# Altium PCB ZoM-Model-A.PcbDoc (part 1 of 3)
Units mm, origin at the board's own origin, x right, y up, seen from the top; angles counter-clockwise.
Board outline 75 x 40 mm, 6 copper layers (L 01, L 02 Gnd, L 03 1.8V 3.3V, L 04 1.0V SIG, L 05 Gnd, L 06), stack 1.207 mm thick; 145 components, 295 nets, 917 pads, 329 vias.
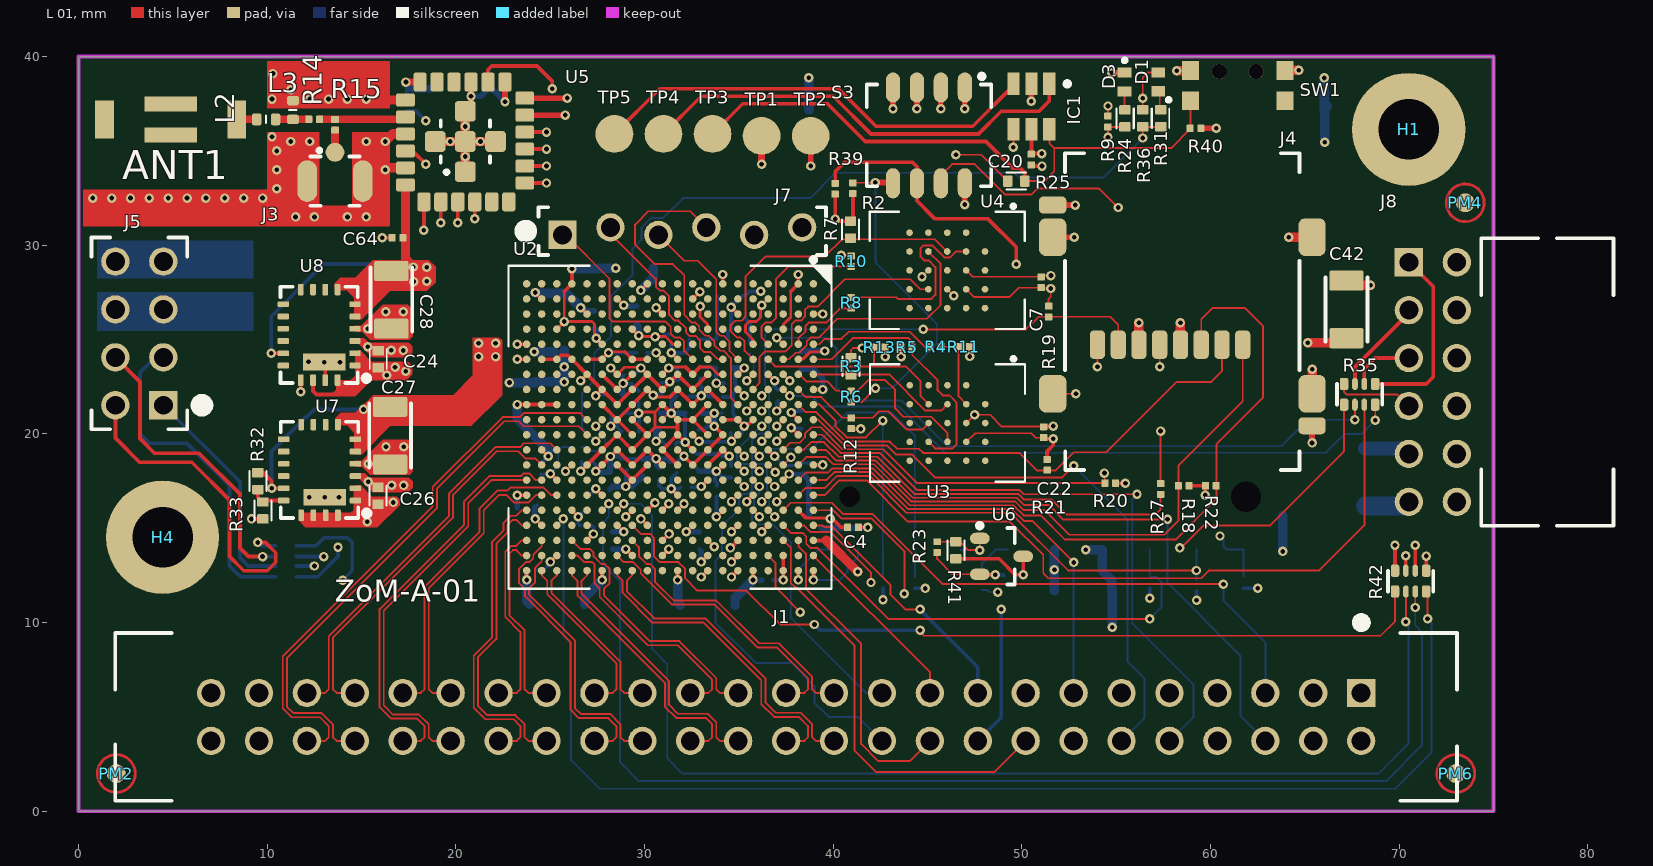
[diagram p0: L 01 view]
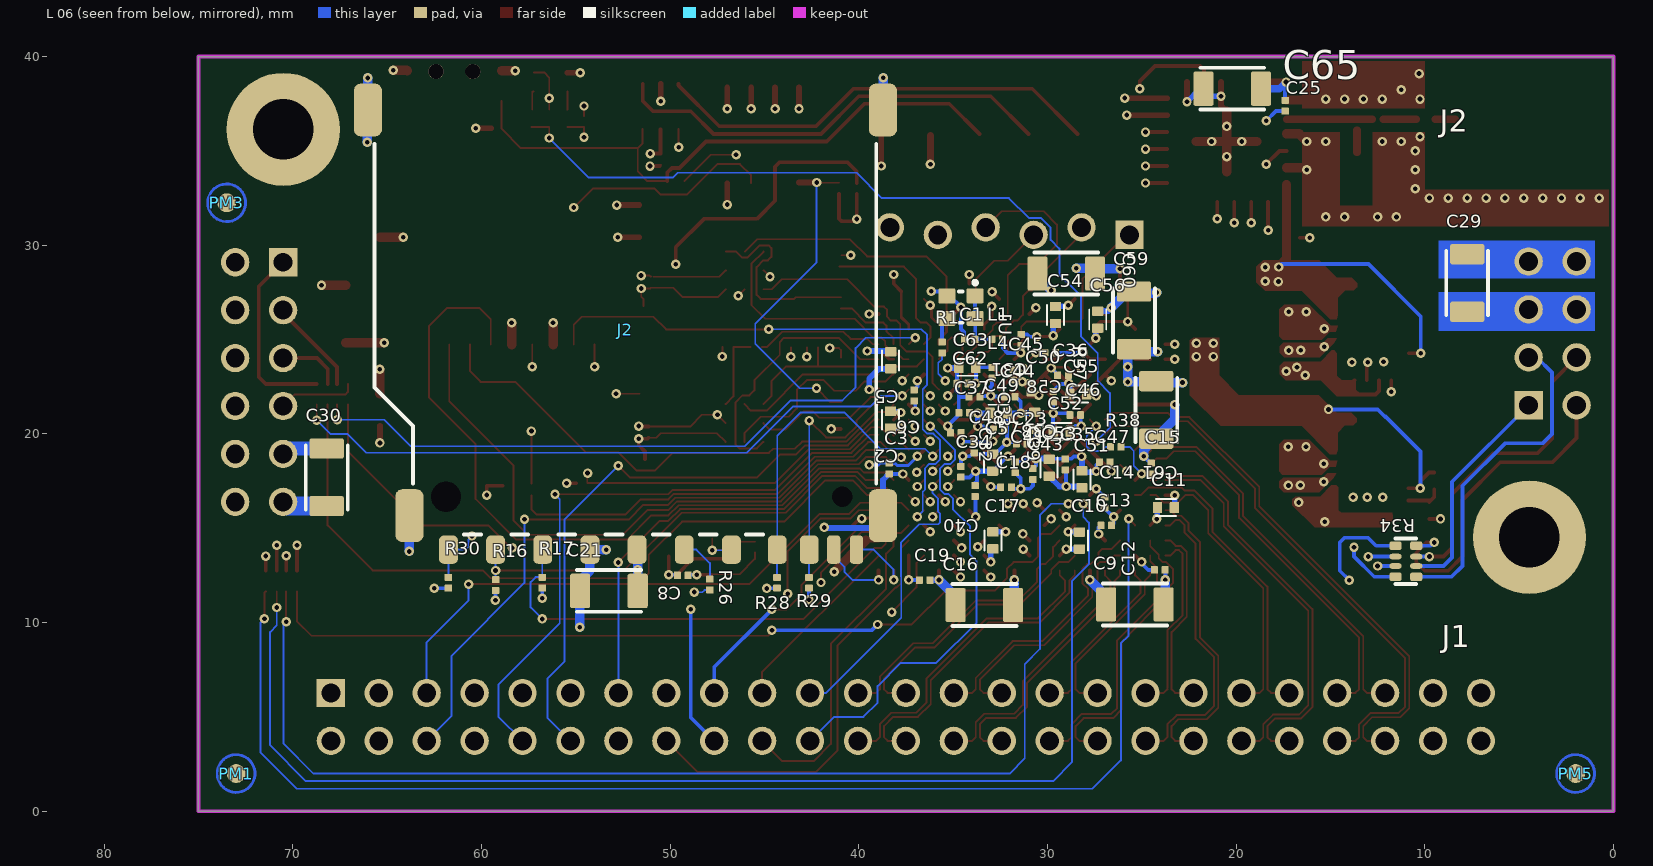
[diagram p1: L 06 view, seen from below]
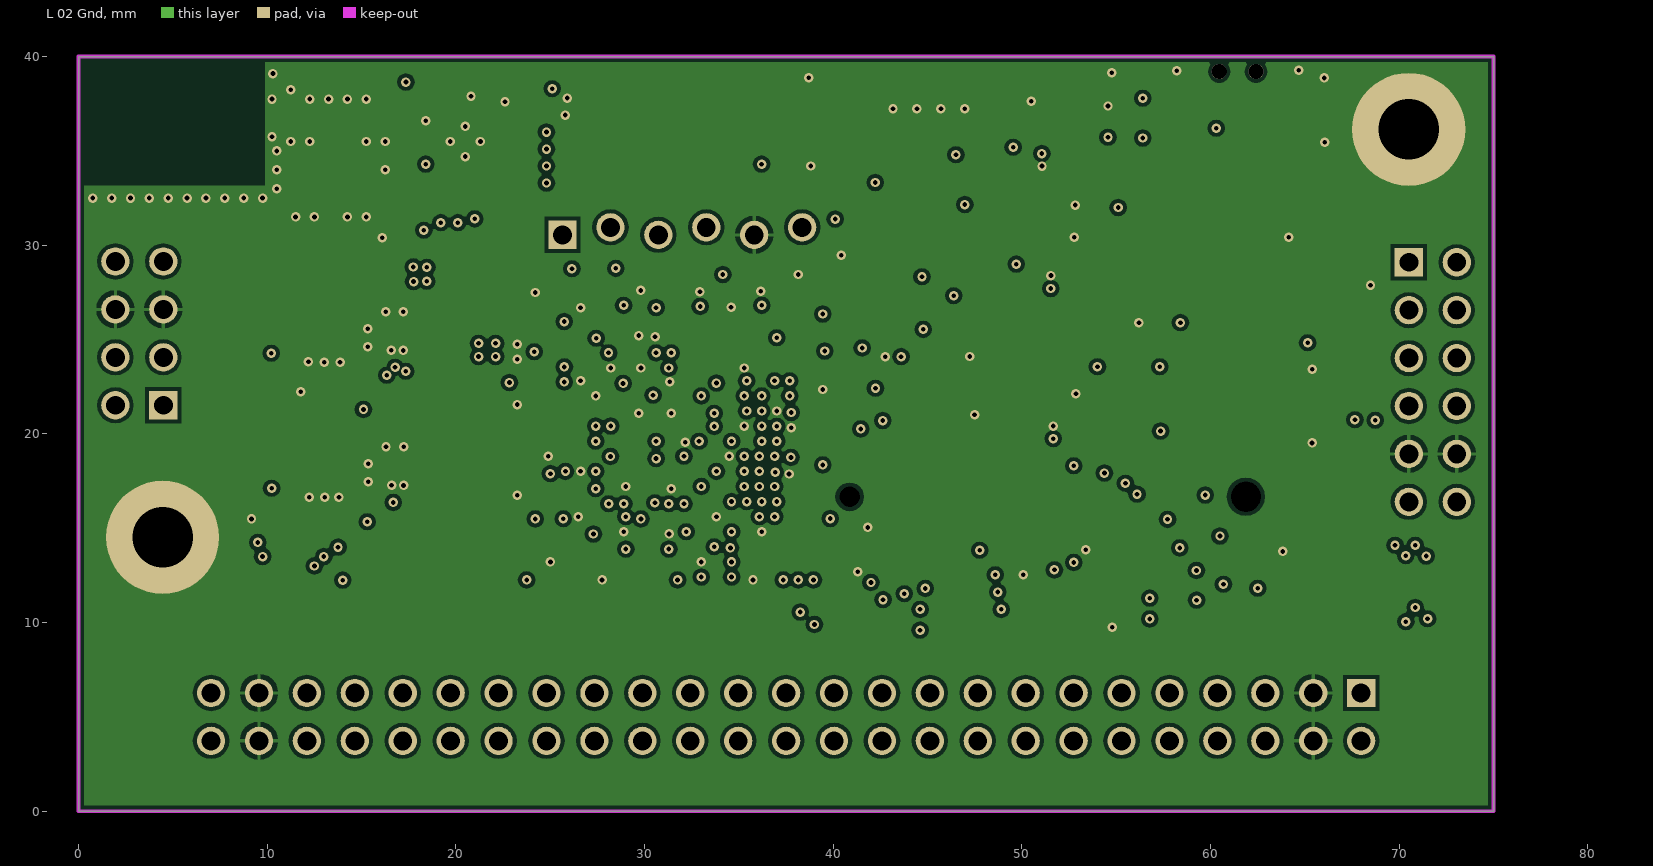
[diagram p2: L 02 Gnd]
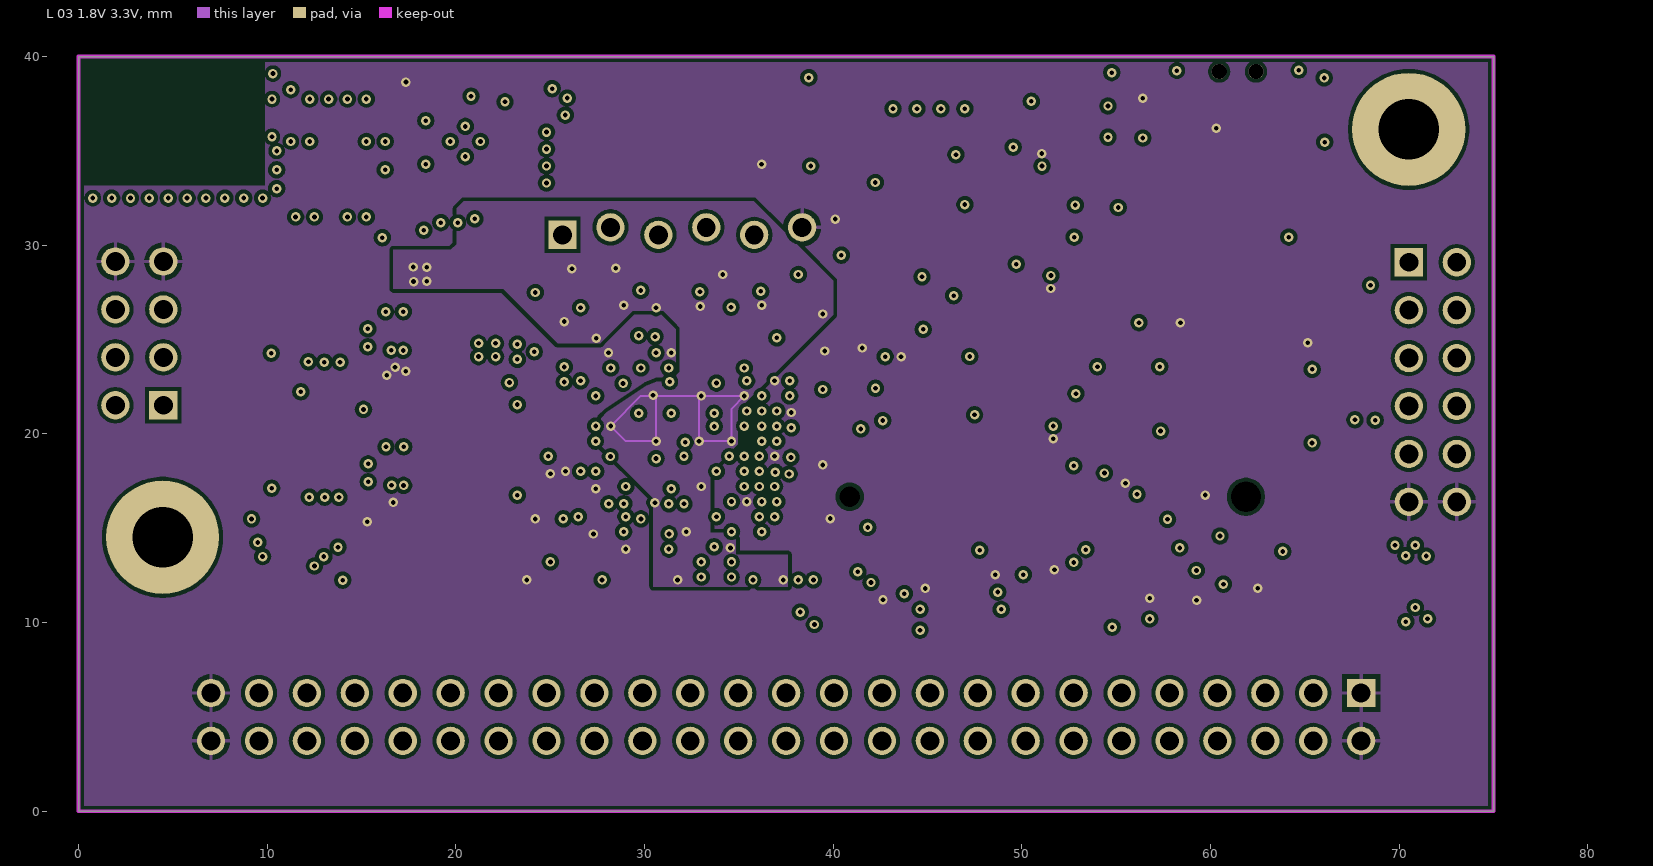
[diagram p3: L 03 1.8V 3.3V]
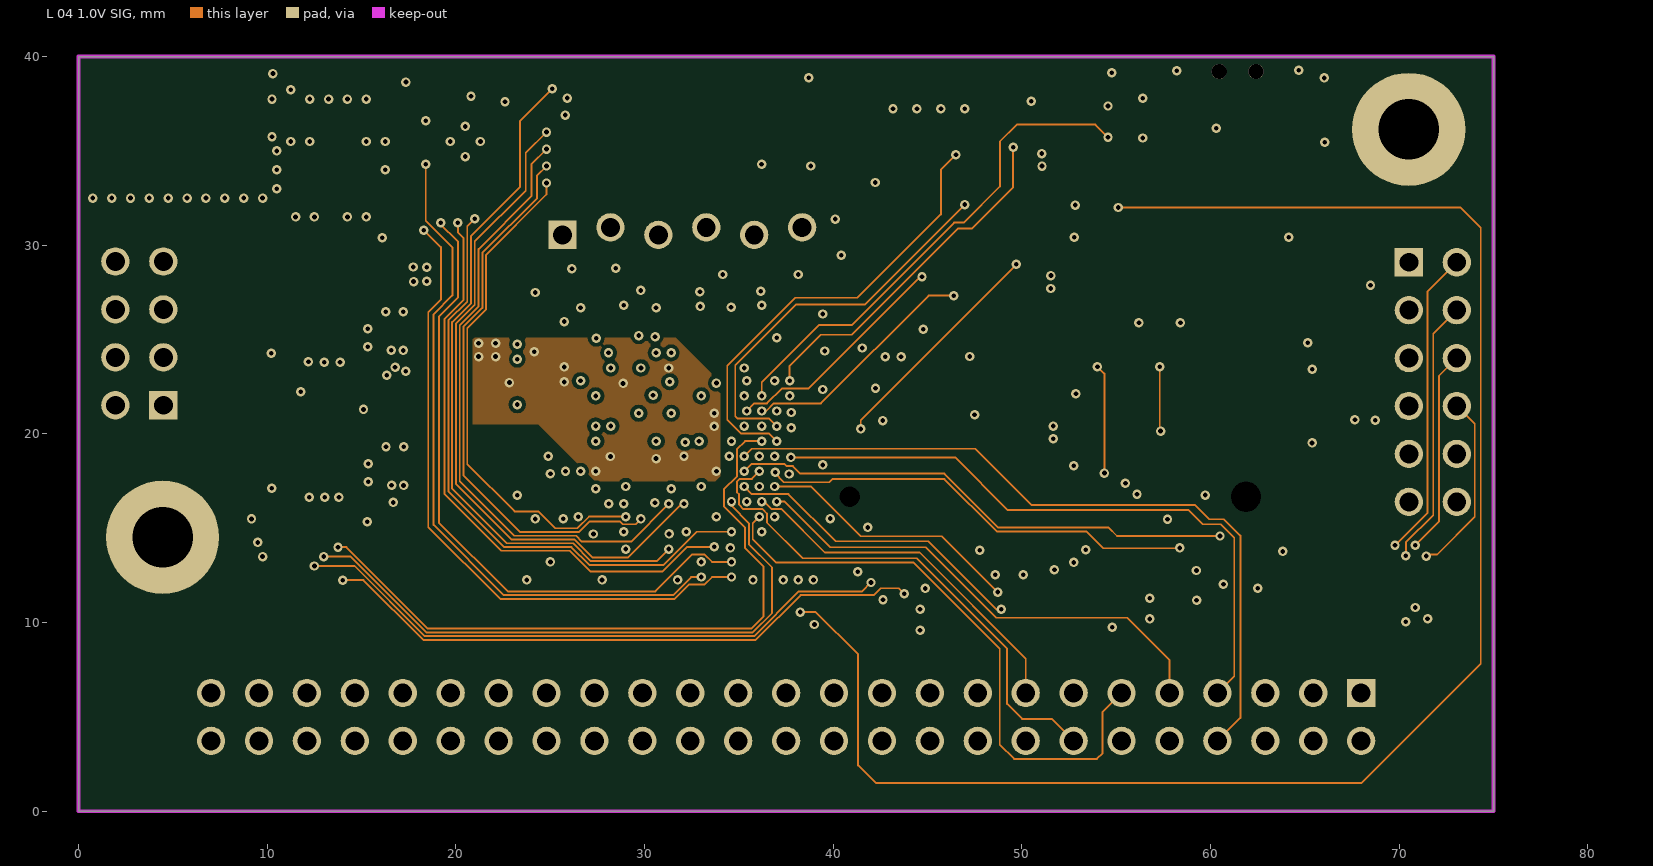
[diagram p4: L 04 1.0V SIG]
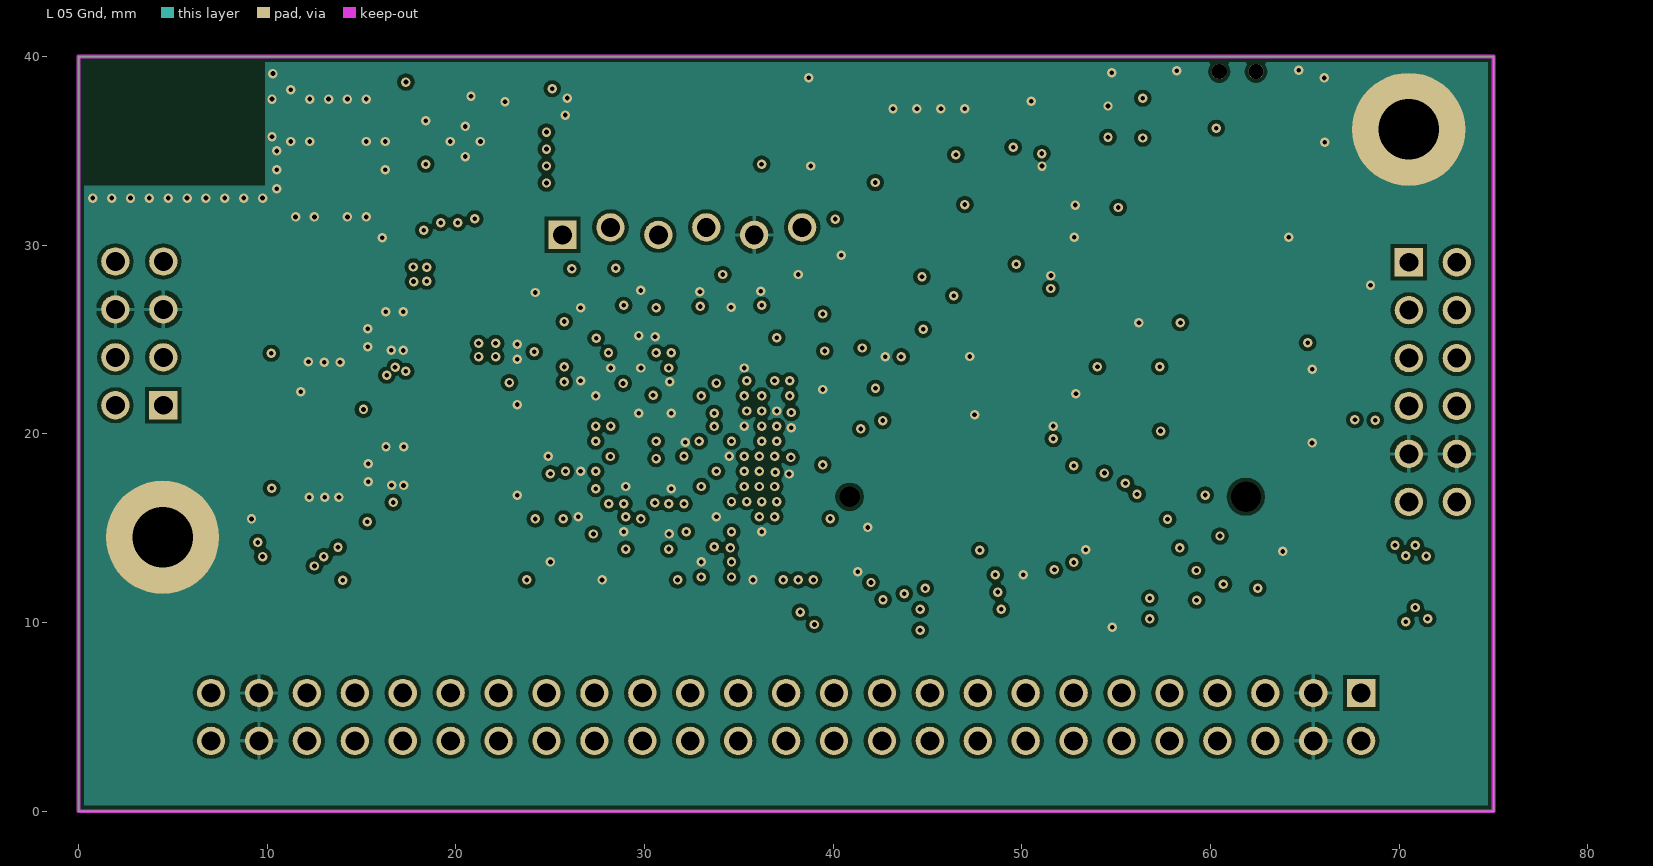
[diagram p5: L 05 Gnd]
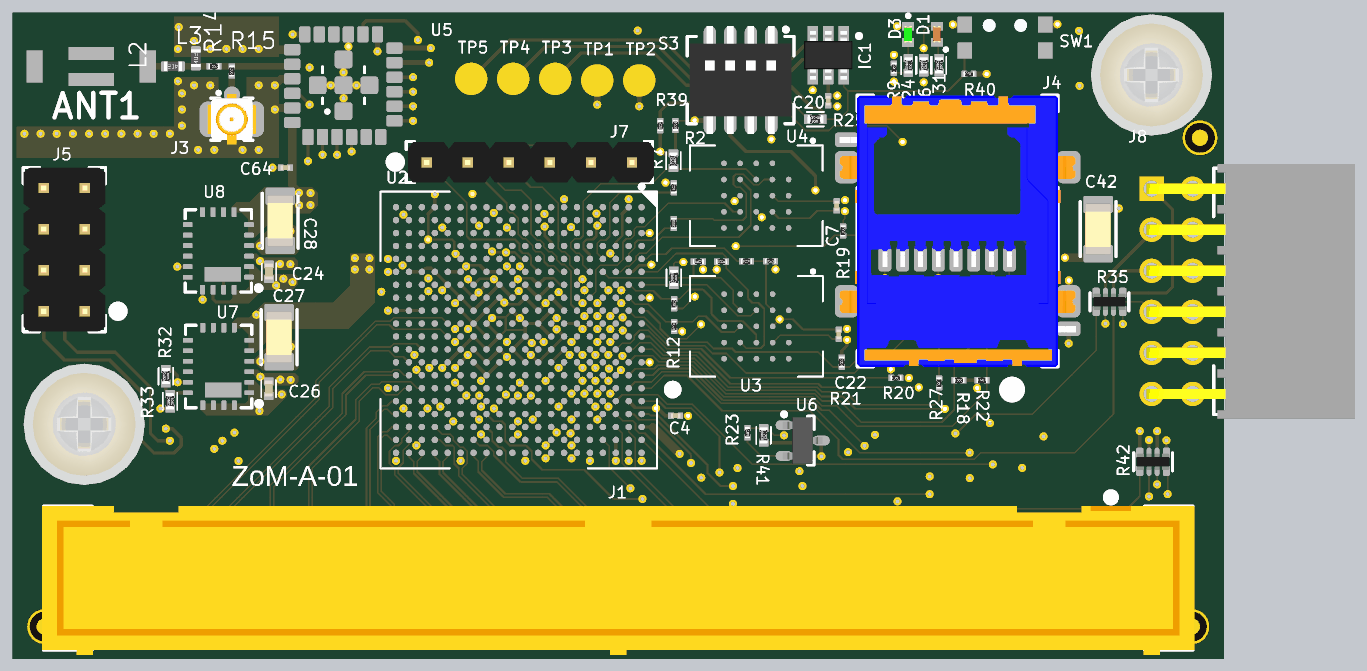
[diagram p8: 3D render of the assembled board from above, using the file's embedded part models]
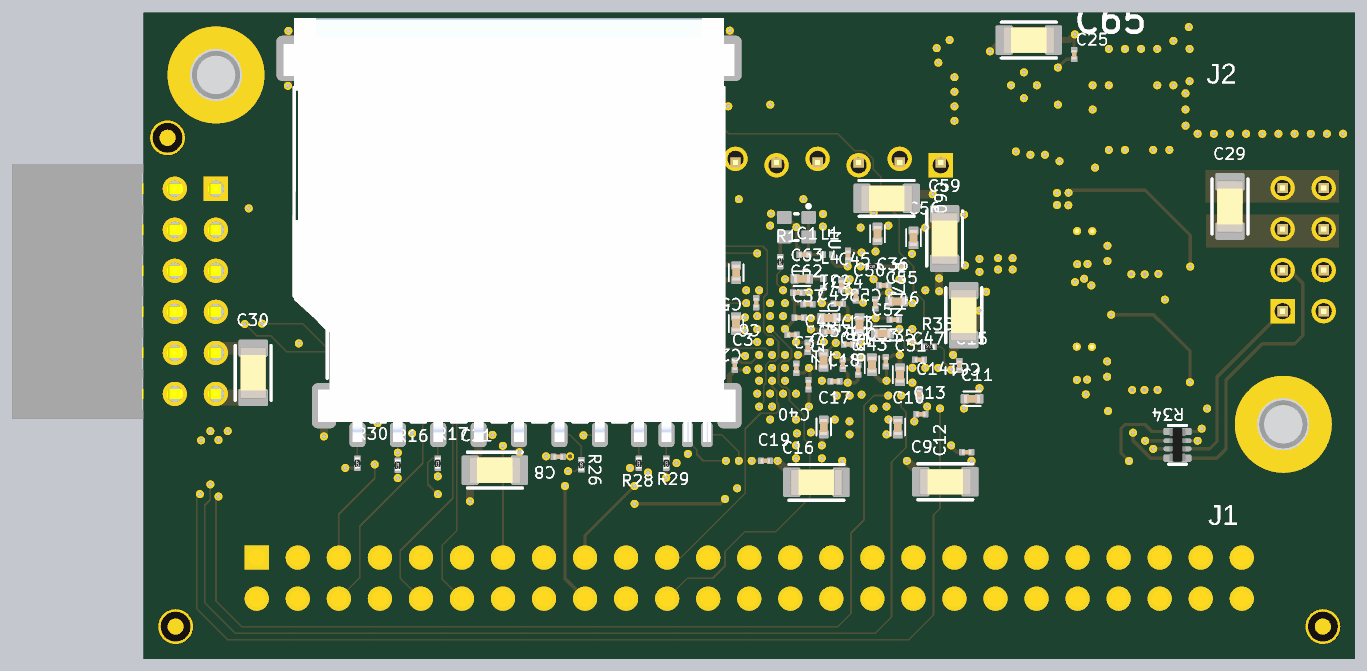
[diagram p9: 3D render of the assembled board from below, using the file's embedded part models]

## Layer stack, top to bottom
Top Solder: solder mask 0.0102, Solder Resist, Dk 3.5
L 01: signal copper 0.04
Dielectric1: core 0.254, FR-4, Dk 4.2
L 02 Gnd: signal copper 0.033
Dielectric3: prepreg 0.127, FR-4, Dk 4.2
L 03 1.8V 3.3V: signal copper 0.036
Dielectric2: core 0.254, Dk 4.2
L 04 1.0V SIG: signal copper 0.036
Dielectric4: prepreg 0.1, FR-4, Dk 4.8
L 05 Gnd: signal copper 0.033
Dielectric5: core 0.254, FR-4, Dk 4.2
L 06: signal copper 0.04
Bottom Solder: solder mask 0.0102, Solder Resist, Dk 3.5

## Board outline
0,0 75,0 75,40 0,40

## Design rules (kind name [scope] priority, off if disabled: settings)
Clearance Clearance_PadToKeepUot [(ObjectKind = 'Track') And (Layer = 'MultiLayer') And (Net = 'GND') And (Keepout = 'True') vs IsPad] p1: gap=0.002
Clearance Clearance_10Mil [isTrack and InNetClass('Clearance_10mil') vs isTrack and not InNetClass('Clearance_10mil')] p2: gap=0.254
Clearance Clearance_PolyToPoly [IsCopperRegion vs InPoly] p3: gap=0.2
Clearance Clearance_Poly [InPolygon] p4: gap=0.2
Clearance Clearance_SameNet_PadToBigVia [(IsPad) vs (IsVia)  And ViaSize  > AsMM(0.36)] p5: gap=0.1
Clearance [All] p6: gap=0.099
ComponentClearance "ComponentClearance_J2PM\"" [(InComponent('J2')) vs (InComponent('PM2'))] p1: gap=-4 collisioncheckmode=3 verticalgap=-1 showdistances=FALSE
ComponentClearance ComponentClearance_H3U7 [(InComponent('H3')) vs (InComponent('U7'))] p2: gap=-0.5 collisioncheckmode=3 verticalgap=-1 showdistances=FALSE
ComponentClearance ComponentClearance_-0.5mm [HasFootprint('FIDU-DOT - small') OR HasFootprint('NetTieTOP_D35mm')or HasFootprint('MHole3_2mm')] p3: gap=-0.5 collisioncheckmode=3 verticalgap=-0.013 showdistances=FALSE
ComponentClearance [All] p4: gap=-0.05 collisioncheckmode=3 verticalgap=0.5 showdistances=TRUE
DiffPairsRouting [All] p1: maxlimit=1 minlimit=0.12 mostfreqgap=0.12 toplayer_maxgap=0.12 toplayer_minwidth=0.1 toplayer_maxwidth=0.381 toplayer_prefwidth=0.1 midlayer1_maxgap=0.12 midlayer1_minwidth=0.381 midlayer1_maxwidth=0.381 midlayer1_prefwidth=0.381 midlayer2_mingap=1 midlayer2_prefgap=1 midlayer2_minwidth=0.381 midlayer2_maxwidth=0.381 midlayer2_prefwidth=0.381 midlayer3_mingap=0 midlayer3_maxgap=0 midlayer3_prefgap=0 midlayer3_minwidth=0.381 midlayer3_maxwidth=0.381 midlayer3_prefwidth=0.381 midlayer6_maxgap=0.12 midlayer6_minwidth=0.381 midlayer6_maxwidth=0.381 midlayer6_prefwidth=0.381 bottomlayer_maxgap=0.12 bottomlayer_minwidth=0.1 bottomlayer_maxwidth=0.381 bottomlayer_prefwidth=0.1 maxuncoupledlength=17
FabricationTestPointUsage TestPointUsage [All] p1: valid=0 allowmultiple=FALSE
FabricationTestpoint Testpoint [(IsPad And (OnTopLayer Or OnBottomLayer))] p1: side=3 testpointundercomponent=TRUE minsize=1.016 maxsize=2.54 preferedsize=1.524 minholesize=0 maxholesize=1.016 preferedholesize=0.813 testpointgrid=0.025 allowsidetop=TRUE allowsidebottom=TRUE usegrid=TRUE gridtolerance=0
FanoutControl Fanout_Small [All] p1 off: bgadir=Out bgaviamode=Centered fanoutstyle=Auto fanoutdirection=Alternating viagrid=0.025 // Protel DXP Scope 1 Expression Was: (CompPinCount < 5)   Fanout_Small (Default Rule)
FanoutControl Fanout_Default [All] p2: bgadir=Out bgaviamode=Centered fanoutstyle=Auto fanoutdirection=Alternating viagrid=0.025 // Fanout_Default (Default Rule)
FanoutControl Fanout_SOIC [All] p3 off: bgadir=Out bgaviamode=Centered fanoutstyle=Auto fanoutdirection=Alternating viagrid=0.025 // Protel DXP Scope 1 Expression Was: IsSOIC   Fanout_SOIC (Default Rule)
FanoutControl Fanout_BGA [All] p4 off: bgadir=Out bgaviamode=Centered fanoutstyle=Auto fanoutdirection=Alternating viagrid=0.025 // Protel DXP Scope 1 Expression Was: IsBGA   Fanout_BGA (Default Rule)
FanoutControl Fanout_LCC [All] p5 off: bgadir=Out bgaviamode=Centered fanoutstyle=Auto fanoutdirection=Alternating viagrid=0.025 // Protel DXP Scope 1 Expression Was: IsLCC   Fanout_LCC (Default Rule)
HoleSize HoleSize_MicroVia [(ObjectKind = 'Via') And ((StartLayer = 'L 01') And (StopLayer = 'L 02 Gnd'))  or  ((StartLayer = 'L 09 1V5') And (StopLayer = 'L 10'))] p1: absolutevalues=TRUE maxlimit=0.1 minlimit=0.1 maxpercent=80.000 minpercent=20.000
HoleSize HoleSize_Burried [(StartLayer = 'L 02 Gnd') And (StopLayer = 'L 09 1V5')] p2: absolutevalues=TRUE maxlimit=0.3 minlimit=0.2 maxpercent=80.000 minpercent=20.000
HoleSize [All] p3: absolutevalues=TRUE maxlimit=4 minlimit=0.2 maxpercent=80.000 minpercent=20.000
Length Lendht22mm [(InDifferentialPairClass('Lendht22mm'))] p1: maxlimit=22.2 minlimit=21.8
MatchedLengths "MatchedLengthsInDifPair< 0.5mm" [(InNetClass('D100-15') OR InNetClass('D100-25'))] p1: tolerance=0.5 checknetsindiffpair=TRUE checkdiffpairvsdiffpair=FALSE checkothers=FALSE
MatchedLengths "MatchedLengthsInDifPair< 1.5mm" [InAnyDifferentialPair] p2: tolerance=1.5 checknetsindiffpair=TRUE checkdiffpairvsdiffpair=FALSE checkothers=FALSE
MatchedLengths MatchedLengthsMCB_150Mil [InNetClass('MatchLendht150Mil') AND ((InNetClass('MCB1') OR InNetClass('MCB3')))] p3 off: tolerance=2.54 checknetsindiffpair=TRUE checkdiffpairvsdiffpair=TRUE checkothers=TRUE
MatchedLengths MatchedLengths300mil [InNetClass('MatchLendht300Mil')] p4 off: tolerance=2.54 checknetsindiffpair=FALSE checkdiffpairvsdiffpair=TRUE checkothers=TRUE
MinimumAnnularRing MinimumAnnularRing_MicroVia [(IsVia) And ViaSize <=  AsMM(0.1)] p1: minimumring=0.124
MinimumAnnularRing [All] p2: minimumring=0.15
PermittedLayers PermittedLayers-CAP3225 [(HasFootprint('CAPC3216N'))] p1: toplayerpermitted=TRUE bottomlayerpermitted=FALSE
PlaneClearance [All] p1: clearance=0.25
PlaneConnect PlaneConnect_Via [IsVia] p1: planeconnectstyle=Direct reliefexpansion=0.508 reliefentries=4 reliefconductorwidth=0.254 reliefairgap=0.254
PlaneConnect [All] p2: planeconnectstyle=Relief reliefexpansion=0.5 reliefentries=4 reliefconductorwidth=0.2 reliefairgap=0.25
PolygonConnect PolygonConnect_TopRilief [InPolygonClass('TopConnect')] p1: connectstyle=Relief reliefconductorwidth=0.254 reliefentries=4 polygonreliefangle="90 Angle" airgapwidth=0.254
PolygonConnect PolygonConnect_Direct [(HasFootprint('MHole3_2mm')) or IsVia] p2: connectstyle=Direct reliefconductorwidth=0.254 reliefentries=4 polygonreliefangle="90 Angle" airgapwidth=0.254 // Protel DXP Scope 1 Expression Was: IsVia